# Allegro board SG2042_EVB_V1_1.brd (continued)
## Placement (name value [footprint] x y rotation side) (continued)
C126  1uF_16V  [C0402_BGA]  122.47 92.15 270 bottom
C127  1uF_16V  [C0402_BGA]  121.47 90.15 90 bottom
C128  1uF_16V  [C0402_BGA]  122.47 90.15 270 bottom
C129  1uF_16V  [C0402_BGA]  152.47 89.15 90 bottom
C132  1uF_16V  [C0402_BGA]  152.47 124.15 90 bottom
C133  1uF_16V  [C0402_BGA]  153.47 124.15 270 bottom
C134  1uF_16V  [C0402_BGA]  154.47 124.15 90 bottom
C135  1uF_16V  [C0402_BGA]  152.47 122.15 90 bottom
C136  1uF_16V  [C0402_BGA]  153.47 122.15 270 bottom
C137  1uF_16V  [C0402_BGA]  154.47 122.15 90 bottom
C138  1uF_16V  [C0402_BGA]  152.47 120.15 90 bottom
C139  1uF_16V  [C0402_BGA]  153.47 120.15 270 bottom
C140  1uF_16V  [C0402_BGA]  154.47 120.15 90 bottom
C141  1uF_16V  [C0402_BGA]  152.47 118.15 90 bottom
C142  1uF_16V  [C0402_BGA]  153.47 118.15 270 bottom
C143  1uF_16V  [C0402_BGA]  154.47 118.15 90 bottom
C144  1uF_16V  [C0402_BGA]  152.47 116.15 90 bottom
C145  1uF_16V  [C0402_BGA]  153.47 116.15 270 bottom
C146  1uF_16V  [C0402_BGA]  154.47 116.15 90 bottom
C147  1uF_16V  [C0402_BGA]  152.47 114.15 90 bottom
C148  1uF_16V  [C0402_BGA]  153.47 114.15 270 bottom
C149  1uF_16V  [C0402_BGA]  154.47 114.15 90 bottom
C150  1uF_16V  [C0402_BGA]  152.47 112.15 90 bottom
C151  1uF_16V  [C0402_BGA]  153.47 112.15 270 bottom
C152  1uF_16V  [C0402_BGA]  154.47 112.15 90 bottom
C153  1uF_16V  [C0402_BGA]  152.47 110.15 90 bottom
C154  1uF_16V  [C0402_BGA]  153.47 110.15 270 bottom
C155  1uF_16V  [C0402_BGA]  154.47 110.15 90 bottom
C156  1uF_16V  [C0402_BGA]  152.47 108.15 90 bottom
C157  1uF_16V  [C0402_BGA]  153.47 108.15 270 bottom
C158  1uF_16V  [C0402_BGA]  154.47 108.15 90 bottom
C159  1uF_16V  [C0402_BGA]  152.47 106.15 270 bottom
C160  1uF_16V  [C0402_BGA]  153.47 106.15 270 bottom
C161  1uF_16V  [C0402_BGA]  154.47 106.15 90 bottom
C162  1uF_16V  [C0402_BGA]  152.47 104.15 90 bottom
C163  1uF_16V  [C0402_BGA]  153.47 104.15 270 bottom
C164  1uF_16V  [C0402_BGA]  154.47 104.15 90 bottom
C165  1uF_16V  [C0402_BGA]  152.47 102.15 90 bottom
C166  1uF_16V  [C0402_BGA]  153.47 102.15 270 bottom
C167  1uF_16V  [C0402_BGA]  154.47 102.15 90 bottom
C168  1uF_16V  [C0402_BGA]  153.47 100.15 270 bottom
C169  1uF_16V  [C0402_BGA]  154.47 100.15 90 bottom
C170  1uF_16V  [C0402_BGA]  153.47 98.15 270 bottom
C171  1uF_16V  [C0402_BGA]  154.47 98.15 90 bottom
C172  1uF_16V  [C0402_BGA]  153.47 96.15 270 bottom
C173  1uF_16V  [C0402_BGA]  154.47 96.15 90 bottom
C174  1uF_16V  [C0402_BGA]  153.47 94.15 270 bottom
C175  1uF_16V  [C0402_BGA]  154.47 94.15 90 bottom
C176  1uF_16V  [C0402_BGA]  153.47 92.15 270 bottom
C177  1uF_16V  [C0402_BGA]  154.47 92.15 90 bottom
C178  1uF_16V  [C0402_BGA]  153.47 90.15 270 bottom
C179  1uF_16V  [C0402_BGA]  154.47 90.15 90 bottom
C181  1uF_16V  [C0402_BGA]  155.47 126.15 270 bottom
C182  1uF_16V  [C0402_BGA]  156.47 126.15 90 bottom
C183  1uF_16V  [C0402_BGA]  157.47 126.15 270 bottom
C184  1uF_16V  [C0402_BGA]  158.47 126.15 90 bottom
C185  1uF_16V  [C0402_BGA]  155.47 124.15 270 bottom
C186  1uF_16V  [C0402_BGA]  156.47 124.15 90 bottom
C187  1uF_16V  [C0402_BGA]  157.47 124.15 270 bottom
C188  1uF_16V  [C0402_BGA]  158.47 124.15 90 bottom
C189  1uF_16V  [C0402_BGA]  155.47 122.15 270 bottom
C190  1uF_16V  [C0402_BGA]  156.47 122.15 90 bottom
C191  1uF_16V  [C0402_BGA]  157.47 122.15 270 bottom
C192  1uF_16V  [C0402_BGA]  155.47 120.15 270 bottom
C193  1uF_16V  [C0402_BGA]  156.47 120.15 90 bottom
C194  1uF_16V  [C0402_BGA]  157.47 120.15 270 bottom
C195  1uF_16V  [C0402_BGA]  155.47 118.15 270 bottom
C196  1uF_16V  [C0402_BGA]  156.47 118.15 90 bottom
C197  1uF_16V  [C0402_BGA]  157.47 118.15 270 bottom
C198  1uF_16V  [C0402_BGA]  155.47 116.15 270 bottom
C199  1uF_16V  [C0402_BGA]  156.47 116.15 90 bottom
C200  1uF_16V  [C0402_BGA]  157.47 116.15 270 bottom
C201  1uF_16V  [C0402_BGA]  158.47 116.15 90 bottom
C202  1uF_16V  [C0402_BGA]  155.47 114.15 270 bottom
C203  1uF_16V  [C0402_BGA]  156.47 114.15 90 bottom
C204  1uF_16V  [C0402_BGA]  157.47 114.15 270 bottom
C205  1uF_16V  [C0402_BGA]  155.47 112.15 270 bottom
C206  1uF_16V  [C0402_BGA]  156.47 112.15 90 bottom
C207  1uF_16V  [C0402_BGA]  157.47 112.15 270 bottom
C208  1uF_16V  [C0402_BGA]  155.47 110.15 270 bottom
C209  1uF_16V  [C0402_BGA]  156.47 110.15 90 bottom
C210  1uF_16V  [C0402_BGA]  157.47 110.15 270 bottom
C211  1uF_16V  [C0402_BGA]  157.47 108.15 270 bottom
C212  1uF_16V  [C0402_BGA]  156.47 108.15 90 bottom
C213  1uF_16V  [C0402_BGA]  155.47 108.15 270 bottom
C214  1uF_16V  [C0402_BGA]  155.47 106.15 270 bottom
C215  1uF_16V  [C0402_BGA]  156.47 106.15 90 bottom
C216  1uF_16V  [C0402_BGA]  157.47 106.15 270 bottom
C217  1uF_16V  [C0402_BGA]  155.47 104.15 270 bottom
C218  1uF_16V  [C0402_BGA]  156.47 104.15 90 bottom
C219  1uF_16V  [C0402_BGA]  157.47 104.15 270 bottom
C220  1uF_16V  [C0402_BGA]  155.47 102.15 270 bottom
C221  1uF_16V  [C0402_BGA]  156.47 102.15 90 bottom
C222  1uF_16V  [C0402_BGA]  157.47 102.15 270 bottom
C223  1uF_16V  [C0402_BGA]  155.47 100.15 270 bottom
C224  1uF_16V  [C0402_BGA]  156.47 100.15 90 bottom
C225  1uF_16V  [C0402_BGA]  157.47 100.15 270 bottom
C226  1uF_16V  [C0402_BGA]  158.47 100.15 90 bottom
C227  1uF_16V  [C0402_BGA]  155.47 98.15 270 bottom
C228  1uF_16V  [C0402_BGA]  156.47 98.15 90 bottom
C229  1uF_16V  [C0402_BGA]  157.47 98.15 270 bottom
C230  1uF_16V  [C0402_BGA]  158.47 98.15 90 bottom
C231  1uF_16V  [C0402_BGA]  159.47 98.15 270 bottom
C232  1uF_16V  [C0402_BGA]  155.47 96.15 270 bottom
C233  1uF_16V  [C0402_BGA]  156.47 96.15 90 bottom
C234  1uF_16V  [C0402_BGA]  157.47 96.15 270 bottom
C235  1uF_16V  [C0402_BGA]  158.47 96.15 90 bottom
C236  1uF_16V  [C0402_BGA]  159.47 96.15 270 bottom
C237  1uF_16V  [C0402_BGA]  160.48 96.15 270 bottom
C238  1uF_16V  [C0402_BGA]  155.47 94.15 270 bottom
C239  1uF_16V  [C0402_BGA]  156.47 94.15 90 bottom
C240  1uF_16V  [C0402_BGA]  157.47 94.15 270 bottom
C241  1uF_16V  [C0402_BGA]  155.47 92.15 270 bottom
C242  1uF_16V  [C0402_BGA]  156.47 92.15 90 bottom
C243  1uF_16V  [C0402_BGA]  157.47 92.15 270 bottom
C244  1uF_16V  [C0402_BGA]  155.47 90.15 270 bottom
C245  1uF_16V  [C0402_BGA]  156.47 90.15 90 bottom
C246  1uF_16V  [C0402_BGA]  157.47 90.15 270 bottom
C247  1uF_16V  [C0402_BGA]  158.97 91.65 0 bottom
C248  1uF_16V  [C0402_BGA]  159.47 90.15 270 bottom
C249  1uF_16V  [C0402_BGA]  160.47 90.15 90 bottom
C250  1uF_16V  [C0402_BGA]  155.47 88.15 270 bottom
C251  1uF_16V  [C0402_BGA]  156.47 88.15 90 bottom
C252  1uF_16V  [C0402_BGA]  157.47 88.15 270 bottom
C253  1uF_16V  [C0402_BGA]  158.47 88.15 90 bottom
C254  1uF_16V  [C0402_BGA]  159.47 88.15 270 bottom
C255  1uF_16V  [C0402_BGA]  155.97 86.65 0 bottom
C256  1uF_16V  [C0402_BGA]  157.97 86.65 0 bottom
C257  1uF_16V  [C0402_BGA]  162.97 125.65 0 bottom
C258  1uF_16V  [C0402_BGA]  160.97 123.65 0 bottom
C259  1uF_16V  [C0402_BGA]  161.97 122.65 0 bottom
C260  1uF_16V  [C0402_BGA]  158.97 121.65 0 bottom
C261  1uF_16V  [C0402_BGA]  160.97 120.65 0 bottom
C262  1uF_16V  [C0402_BGA]  162.97 120.65 0 bottom
C263  1uF_16V  [C0402_BGA]  160.97 119.65 180 bottom
C264  1uF_16V  [C0402_BGA]  162.97 119.65 180 bottom
C265  1uF_16V  [C0402_BGA]  159.97 92.65 0 bottom
C266  1uF_16V  [C0402_BGA]  162.97 89.65 180 bottom
C267  1uF_16V  [C0402_BGA]  162.47 88.15 90 bottom
C281  1uF_16V  [C0402_BGA]  120.47 126.15 270 bottom
C282  1uF_16V  [C0402_BGA]  119.47 126.15 90 bottom
C283  1uF_16V  [C0402_BGA]  118.47 126.15 270 bottom
C284  1uF_16V  [C0402_BGA]  117.47 126.15 90 bottom
C285  1uF_16V  [C0402_BGA]  120.47 124.15 270 bottom
C286  1uF_16V  [C0402_BGA]  119.47 124.15 90 bottom
C287  1uF_16V  [C0402_BGA]  118.47 124.15 270 bottom
C288  1uF_16V  [C0402_BGA]  117.47 124.15 90 bottom
C289  1uF_16V  [C0402_BGA]  120.47 122.15 270 bottom
C290  1uF_16V  [C0402_BGA]  119.47 122.15 90 bottom
C291  1uF_16V  [C0402_BGA]  118.47 122.15 270 bottom
C292  1uF_16V  [C0402_BGA]  116.97 121.65 180 bottom
C293  1uF_16V  [C0402_BGA]  120.47 120.15 270 bottom
C294  1uF_16V  [C0402_BGA]  119.47 120.15 90 bottom
C295  1uF_16V  [C0402_BGA]  118.47 120.15 270 bottom
C296  1uF_16V  [C0402_BGA]  120.47 118.15 270 bottom
C297  1uF_16V  [C0402_BGA]  119.47 118.15 90 bottom
C298  1uF_16V  [C0402_BGA]  118.47 118.15 270 bottom
C299  1uF_16V  [C0402_BGA]  120.47 116.15 270 bottom
C300  1uF_16V  [C0402_BGA]  119.47 116.15 90 bottom
C301  1uF_16V  [C0402_BGA]  118.47 116.15 270 bottom
C302  1uF_16V  [C0402_BGA]  117.47 116.15 90 bottom
C303  1uF_16V  [C0402_BGA]  120.47 114.15 270 bottom
C304  1uF_16V  [C0402_BGA]  119.47 114.15 90 bottom
C305  1uF_16V  [C0402_BGA]  118.47 114.15 270 bottom
C306  1uF_16V  [C0402_BGA]  120.47 112.15 270 bottom
C307  1uF_16V  [C0402_BGA]  119.47 112.15 90 bottom
C308  1uF_16V  [C0402_BGA]  118.47 112.15 270 bottom
C309  1uF_16V  [C0402_BGA]  120.47 110.15 270 bottom
C310  1uF_16V  [C0402_BGA]  119.47 110.15 90 bottom
C311  1uF_16V  [C0402_BGA]  118.47 110.15 270 bottom
C312  1uF_16V  [C0402_BGA]  118.47 108.15 270 bottom
C313  1uF_16V  [C0402_BGA]  119.47 108.15 90 bottom
C314  1uF_16V  [C0402_BGA]  120.47 108.15 270 bottom
C315  1uF_16V  [C0402_BGA]  120.47 106.15 270 bottom
C316  1uF_16V  [C0402_BGA]  119.47 106.15 90 bottom
C317  1uF_16V  [C0402_BGA]  118.47 106.15 270 bottom
C318  1uF_16V  [C0402_BGA]  120.47 104.15 270 bottom
C319  1uF_16V  [C0402_BGA]  119.47 104.15 90 bottom
C320  1uF_16V  [C0402_BGA]  118.47 104.15 270 bottom
C321  1uF_16V  [C0402_BGA]  120.47 102.15 270 bottom
C322  1uF_16V  [C0402_BGA]  119.47 102.15 90 bottom
C323  1uF_16V  [C0402_BGA]  118.47 102.15 270 bottom
C324  1uF_16V  [C0402_BGA]  120.47 100.15 270 bottom
C325  1uF_16V  [C0402_BGA]  119.47 100.15 90 bottom
C326  1uF_16V  [C0402_BGA]  118.47 100.15 270 bottom
C327  1uF_16V  [C0402_BGA]  117.47 100.15 90 bottom
C328  1uF_16V  [C0402_BGA]  120.47 98.15 270 bottom
C329  1uF_16V  [C0402_BGA]  119.47 98.15 90 bottom
C330  1uF_16V  [C0402_BGA]  118.47 98.15 270 bottom
C331  1uF_16V  [C0402_BGA]  117.47 98.15 90 bottom
C332  1uF_16V  [C0402_BGA]  116.47 98.15 270 bottom
C333  1uF_16V  [C0402_BGA]  120.47 96.15 270 bottom
C334  1uF_16V  [C0402_BGA]  119.47 96.15 90 bottom
C335  1uF_16V  [C0402_BGA]  118.47 96.15 270 bottom
C336  1uF_16V  [C0402_BGA]  117.47 96.15 90 bottom
C337  1uF_16V  [C0402_BGA]  116.47 96.15 270 bottom
C338  1uF_16V  [C0402_BGA]  115.47 96.15 270 bottom
C339  1uF_16V  [C0402_BGA]  120.47 94.15 270 bottom
C340  1uF_16V  [C0402_BGA]  119.47 94.15 90 bottom
C341  1uF_16V  [C0402_BGA]  118.47 94.15 270 bottom
C342  1uF_16V  [C0402_BGA]  120.47 92.15 270 bottom
C343  1uF_16V  [C0402_BGA]  119.47 92.15 90 bottom
C344  1uF_16V  [C0402_BGA]  118.47 92.15 270 bottom
C345  1uF_16V  [C0402_BGA]  120.47 90.15 270 bottom
C346  1uF_16V  [C0402_BGA]  119.47 90.15 90 bottom
C347  1uF_16V  [C0402_BGA]  118.47 90.15 270 bottom
C348  1uF_16V  [C0402_BGA]  116.97 91.65 180 bottom
C349  1uF_16V  [C0402_BGA]  116.47 90.15 270 bottom
C350  1uF_16V  [C0402_BGA]  115.47 90.15 90 bottom
C351  1uF_16V  [C0402_BGA]  118.47 88.15 270 bottom
C352  1uF_16V  [C0402_BGA]  117.47 88.15 90 bottom
C353  1uF_16V  [C0402_BGA]  116.47 88.15 270 bottom
C354  1uF_16V  [C0402_BGA]  116.97 86.65 0 bottom
C355  1uF_16V  [C0402_BGA]  112.97 125.65 180 bottom
C356  1uF_16V  [C0402_BGA]  114.98 123.64 180 bottom
C357  1uF_16V  [C0402_BGA]  113.98 122.64 180 bottom
C358  1uF_16V  [C0402_BGA]  112.98 120.64 180 bottom
C359  1uF_16V  [C0402_BGA]  114.98 120.64 180 bottom
C360  1uF_16V  [C0402_BGA]  112.98 119.61 0 bottom
C361  1uF_16V  [C0402_BGA]  114.98 119.61 0 bottom
C362  1uF_16V  [C0402_BGA]  115.97 92.65 180 bottom
C363  1uF_16V  [C0402_BGA]  112.97 89.65 0 bottom
C364  1uF_16V  [C0402_BGA]  113.47 88.15 90 bottom
C381  220nF_25V  [C0201]  17.86 100.7 0 top
C382  220nF_25V  [C0201]  286.94 48.7 180 top
C383  220nF_25V  [C0201]  286.94 48.09 180 top
C384  220nF_25V  [C0201]  17.86 100.09 0 top
C385  220nF_25V  [C0201]  286.94 53.09 180 top
C386  220nF_25V  [C0201]  17.86 95.7 0 top
C387  220nF_25V  [C0201]  286.94 53.7 180 top
C388  220nF_25V  [C0201]  17.86 95.09 0 top
C389  220nF_25V  [C0201]  286.94 57.09 180 top
C390  220nF_25V  [C0201]  17.86 91.7 0 top
C391  220nF_25V  [C0201]  286.94 57.7 180 top
C392  220nF_25V  [C0201]  17.86 91.09 0 top
C393  220nF_25V  [C0201]  286.94 61.09 180 top
C394  220nF_25V  [C0201]  17.86 87.7 0 top
C395  220nF_25V  [C0201]  286.94 61.7 180 top
C396  220nF_25V  [C0201]  17.86 87.09 0 top
C397  220nF_25V  [C0201]  286.94 67.09 180 top
C398  220nF_25V  [C0201]  17.86 81.7 0 top
C399  220nF_25V  [C0201]  286.94 67.7 180 top
C400  220nF_25V  [C0201]  17.86 81.09 0 top
C401  220nF_25V  [C0201]  286.94 71.09 180 top
C402  220nF_25V  [C0201]  17.86 77.7 0 top
C403  220nF_25V  [C0201]  286.94 71.7 180 top
C404  220nF_25V  [C0201]  17.86 77.09 0 top
C405  220nF_25V  [C0201]  286.94 75.09 180 top
C406  220nF_25V  [C0201]  17.86 73.7 0 top
C407  220nF_25V  [C0201]  286.94 75.7 180 top
C408  220nF_25V  [C0201]  17.86 73.09 0 top
C409  220nF_25V  [C0201]  286.94 79.09 180 top
C410  220nF_25V  [C0201]  17.86 69.7 0 top
C411  220nF_25V  [C0201]  286.94 79.7 180 top
C412  220nF_25V  [C0201]  17.86 69.09 0 top
C413  220nF_25V  [C0201]  246.3 48.09 180 top
C414  220nF_25V  [C0201]  17.86 64.7 0 top
C415  220nF_25V  [C0201]  246.3 48.7 180 top
C416  220nF_25V  [C0201]  17.86 64.09 0 top
C417  220nF_25V  [C0201]  246.3 53.09 180 top
C418  220nF_25V  [C0201]  17.86 60.7 0 top
C419  220nF_25V  [C0201]  246.3 53.7 180 top
C420  220nF_25V  [C0201]  17.86 60.09 0 top
C421  220nF_25V  [C0201]  246.3 57.09 180 top
C422  220nF_25V  [C0201]  17.86 56.7 0 top
C423  220nF_25V  [C0201]  246.3 57.7 180 top
C424  220nF_25V  [C0201]  17.86 56.09 0 top
C425  220nF_25V  [C0201]  246.3 61.09 180 top
C426  220nF_25V  [C0201]  17.86 52.7 0 top
C427  220nF_25V  [C0201]  246.3 61.7 180 top
C428  220nF_25V  [C0201]  17.86 52.09 0 top
C429  220nF_25V  [C0201]  246.3 67.09 180 top
C430  220nF_25V  [C0201]  17.86 48.7 0 top
C431  220nF_25V  [C0201]  246.3 67.7 180 top
C432  220nF_25V  [C0201]  17.86 48.09 0 top
C433  220nF_25V  [C0201]  246.3 71.09 180 top
C434  220nF_25V  [C0201]  17.86 44.7 0 top
C435  220nF_25V  [C0201]  246.3 71.7 180 top
C436  220nF_25V  [C0201]  17.86 44.09 0 top
C437  220nF_25V  [C0201]  246.3 75.09 180 top
C438  220nF_25V  [C0201]  17.86 40.7 0 top
C439  220nF_25V  [C0201]  246.3 75.7 180 top
C440  220nF_25V  [C0201]  17.86 40.09 0 top
C441  220nF_25V  [C0201]  246.3 79.09 180 top
C442  220nF_25V  [C0201]  17.86 36.7 0 top
C443  220nF_25V  [C0201]  246.3 79.7 180 top
C444  220nF_25V  [C0201]  17.86 36.09 0 top
C445  1uF_16V  [C0402_BGA]  125.47 89.15 270 bottom
C446  1uF_16V  [C0402_BGA]  126.47 89.15 90 bottom
C447  1uF_16V  [C0402_BGA]  127.47 89.15 270 bottom
C448  1uF_16V  [C0402_BGA]  128.47 89.15 90 bottom
C449  1uF_16V  [C0402_BGA]  129.47 89.15 270 bottom
C450  1uF_16V  [C0402_BGA]  130.47 89.15 90 bottom
C451  1uF_16V  [C0402_BGA]  131.47 89.15 270 bottom
C452  1uF_16V  [C0402_BGA]  132.47 89.15 90 bottom
C453  1uF_16V  [C0402_BGA]  133.47 89.15 270 bottom
C454  1uF_16V  [C0402_BGA]  134.47 89.15 90 bottom
C455  1uF_16V  [C0402_BGA]  135.47 89.15 270 bottom
C456  1uF_16V  [C0402_BGA]  136.47 89.15 90 bottom
C457  1uF_16V  [C0402_BGA]  137.47 89.15 270 bottom
C458  1uF_16V  [C0402_BGA]  138.47 89.15 90 bottom
C459  1uF_16V  [C0402_BGA]  139.47 89.15 270 bottom
C460  1uF_16V  [C0402_BGA]  140.47 89.15 90 bottom
C461  1uF_16V  [C0402_BGA]  141.47 89.15 270 bottom
C462  1uF_16V  [C0402_BGA]  142.47 89.15 90 bottom
C463  1uF_16V  [C0402_BGA]  143.47 89.15 270 bottom
C464  1uF_16V  [C0402_BGA]  144.47 89.15 90 bottom
C465  1uF_16V  [C0402_BGA]  145.47 89.15 270 bottom
C466  1uF_16V  [C0402_BGA]  146.47 89.15 90 bottom
C467  1uF_16V  [C0402_BGA]  147.47 89.15 270 bottom
C468  1uF_16V  [C0402_BGA]  148.47 89.15 90 bottom
C469  1uF_16V  [C0402_BGA]  149.47 89.15 270 bottom
C470  1uF_16V  [C0402_BGA]  150.47 89.15 90 bottom
C471  10uF/6.3V  [C0402_BGA]  151.47 89.15 270 bottom
C475  1uF_16V  [C0402_BGA]  130.47 92.15 270 bottom
C476  1uF_16V  [C0402_BGA]  131.47 92.15 90 bottom
C477  1uF_16V  [C0402_BGA]  132.47 92.15 270 bottom
C478  1uF_16V  [C0402_BGA]  138.47 92.15 270 bottom
C479  1uF_16V  [C0402_BGA]  140.47 92.15 270 bottom
C480  1uF_16V  [C0402_BGA]  141.47 92.15 90 bottom
C481  1uF_16V  [C0402_BGA]  142.47 92.15 270 bottom
C482  1uF_16V  [C0402_BGA]  143.47 92.15 90 bottom
C483  1uF_16V  [C0402_BGA]  144.47 92.15 270 bottom
C484  1uF_16V  [C0402_BGA]  145.47 92.15 90 bottom
C485  1uF_16V  [C0402_BGA]  146.97 91.65 180 bottom
C486  1uF_16V  [C0402_BGA]  125.97 90.65 180 bottom
C487  1uF_16V  [C0402_BGA]  127.97 90.65 180 bottom
C488  1uF_16V  [C0402_BGA]  129.97 90.65 180 bottom
C489  1uF_16V  [C0402_BGA]  131.97 90.65 180 bottom
C490  1uF_16V  [C0402_BGA]  133.97 90.65 180 bottom
C491  1uF_16V  [C0402_BGA]  135.97 90.65 180 bottom
C492  1uF_16V  [C0402_BGA]  137.97 90.65 180 bottom
C493  1uF_16V  [C0402_BGA]  139.97 90.65 180 bottom
C494  1uF_16V  [C0402_BGA]  141.97 90.65 180 bottom
C495  1uF_16V  [C0402_BGA]  143.97 90.65 180 bottom
C496  10uF/6.3V  [C0402_BGA]  145.97 90.65 180 bottom
C497  10uF/6.3V  [C0402_BGA]  147.97 90.65 180 bottom
C498  10uF/6.3V  [C0402_BGA]  149.97 90.65 180 bottom
C499  10uF/6.3V  [C0402_BGA]  151.97 90.65 180 bottom
C505  1uF_16V  [C0402_BGA]  124.97 87.65 180 bottom
C506  1uF_16V  [C0402_BGA]  126.97 87.65 180 bottom
C507  1uF_16V  [C0402_BGA]  128.97 87.65 180 bottom
C508  1uF_16V  [C0402_BGA]  130.97 87.65 180 bottom
C509  1uF_16V  [C0402_BGA]  132.97 87.65 180 bottom
C510  1uF_16V  [C0402_BGA]  134.97 87.65 180 bottom
C511  1uF_16V  [C0402_BGA]  136.97 87.65 180 bottom
C512  1uF_16V  [C0402_BGA]  138.97 87.65 180 bottom
C513  1uF_16V  [C0402_BGA]  140.97 87.65 180 bottom
C514  1uF_16V  [C0402_BGA]  142.97 87.65 180 bottom
C515  1uF_16V  [C0402_BGA]  144.97 87.65 180 bottom
C516  1uF_16V  [C0402_BGA]  146.97 87.65 180 bottom
C517  1uF_16V  [C0402_BGA]  148.97 87.65 180 bottom
C518  10uF/6.3V  [C0402_BGA]  150.97 87.65 180 bottom
C519  10uF/6.3V  [C0402_BGA]  152.97 87.65 180 bottom
C525  1uF_16V  [C0402]  218.08 202.46 90 bottom
C526  100nF_25V  [C0402]  218.08 204.17 90 bottom
C528  100nF_25V  [C0402]  130.43 46.84 90 bottom
C530  100nF_25V  [C0402]  129.97 48.54 270 top
C531  10uF/6.3V  [C0402]  48.03 223.62 180 top
C532  2.2uF 6.3V  [C0402]  48.03 224.49 180 top
C533  2.2uF 6.3V  [C0402]  48.03 225.35 180 top
C534  100nF_25V  [C0402]  48.03 226.21 180 top
C535  100nF_25V  [C0402]  48.03 227.08 180 top
C536  100nF_25V  [C0402]  46.63 221.51 90 top
C537  100nF_25V  [C0402]  213.31 202.9 90 bottom
C538  2.2uF 6.3V  [C0402]  216.05 207.54 180 bottom
C539  2.2uF 6.3V  [C0402]  213.51 210.26 0 bottom
C540  2.2uF 6.3V  [C0402]  215.57 210.16 0 bottom
C541  100nF_25V  [C0402]  213.41 205.08 270 bottom
C542  2.2uF 6.3V  [C0402]  211.51 207.65 180 bottom
C543  2.2uF 6.3V  [C0402]  210.21 208.05 270 bottom
C545  100nF_25V  [C0402]  132.11 43.28 90 bottom
C548  1uF_16V_NC  [C0402]  27.28 198.55 180 top
C549  4.7uF_6.3V  [C0402]  23.75 195.07 90 top
C550  100nF_25V  [C0402]  24.61 195.07 90 top
C551  100nF_25V  [C0402]  25.48 195.07 90 top
C552  100nF_25V  [C0402]  26.34 195.07 90 top
C557  4.7uF_6.3V  [C0402]  22.61 200.76 90 top
C558  100nF_25V  [C0402]  27.28 199.42 180 top
C559  100nF_25V  [C0402]  23.01 199.47 0 top
C560  4.7uF_6.3V  [C0402]  23.01 197.74 0 top
C561  100nF_25V  [C0402]  24.28 199.34 270 top
C562  100nF_25V  [C0402]  25.15 199.34 270 top
C563  100nF_25V  [C0402]  26.01 199.34 270 top
C564  100nF_25V  [C0402]  22.89 195.07 90 top
C565  100nF_25V  [C0402]  27.97 193.95 0 top
C566  10nF 50V  [C0402]  16.08 204.06 180 bottom
C567  1nF 2KV  [C1206]  14.63 220.34 180 bottom
C568  0.1uF 50V  [C0603]  14.22 222.15 180 bottom
C569  1nF 2KV  [C1206]  32.33 220.34 0 bottom
C570  0.1uF 50V  [C0603]  14.22 223.47 180 bottom
C571  0.1uF 50V  [C0603]  34.8 223.47 0 bottom
C572  0.1uF 50V  [C0603]  34.8 222.15 0 bottom
C573  12pF 50V  [C0402]  19.56 198.12 90 bottom
C574  12pF 50V  [C0402]  19.56 196.39 270 bottom
C575  10uF/6.3V  [C0402]  172.67 165.38 90 top
C576  100nF_25V  [C0402]  173.53 165.38 90 top
C577  100nF_25V  [C0402]  173.53 163.35 90 top
C578  100nF_25V  [C0402]  223.52 196.98 180 top
C579  10uF/6.3V  [C0402]  123.27 149.83 270 top
C580  100nF_25V  [C0402]  122.4 149.83 270 top
C581  100nF_25V  [C0402]  122.4 151.87 270 top
C582  10uF/6.3V  [C0402]  147.04 158.62 0 top
C583  100nF_25V  [C0402]  147.04 157.76 0 top
C584  100nF_25V  [C0402]  214.88 183.57 180 top
C585  100nF_25V  [C0402]  145.01 157.76 0 top
C586  220pF 50V  [C0402]  213.33 181.86 90 top
C587  100nF_25V  [C0402]  134.34 50.09 90 bottom
C588  100nF_25V  [C0402]  282.83 234.01 270 bottom
C589  4.7uF_6.3V  [C0402]  281.97 234.01 270 bottom
C590  4.7uF_6.3V  [C0402_BGA]  125.47 109.15 270 bottom
C592  4.7uF_6.3V  [C0402_BGA]  150.47 107.15 270 bottom
C593  100nF_25V  [C0402]  282.09 235.94 90 top
C594  4.7uF_6.3V  [C0402_BGA]  150.47 109.15 270 bottom
C597  1uF_16V  [C0402]  281.23 235.94 90 top
C600  4.7uF_6.3V  [C0402_BGA]  125.47 107.15 270 bottom
C602  4.7uF_6.3V  [C0402]  142.49 51.33 180 top
C604  4.7uF_6.3V  [C0402]  144.5 51.33 180 top
C605  1uF_16V  [C0402]  279.5 231.75 180 top
C606  10uF/6.3V  [C0402_BGA]  127.65 116.15 90 bottom
C607  10uF/6.3V  [C0402_BGA]  129.6 116.15 90 bottom
C608  10uF/6.3V  [C0402_BGA]  131.55 116.15 90 bottom
C609  10uF/6.3V  [C0402_BGA]  133.5 116.15 90 bottom
C610  10uF/6.3V  [C0402_BGA]  135.45 116.15 90 bottom
C611  10uF/6.3V  [C0402_BGA]  128.63 114.15 270 bottom
C612  10uF/6.3V  [C0402_BGA]  130.57 114.15 270 bottom
C613  10uF/6.3V  [C0402_BGA]  132.52 114.15 270 bottom
C614  10uF/6.3V  [C0402_BGA]  134.47 114.15 270 bottom
C615  10uF/6.3V  [C0402_BGA]  136.45 114.15 270 bottom
C616  10uF/6.3V  [C0402_BGA]  127.65 112.15 90 bottom
C617  10uF/6.3V  [C0402_BGA]  129.6 112.15 90 bottom
C618  10uF/6.3V  [C0402_BGA]  131.55 112.15 90 bottom
C619  10uF/6.3V  [C0402_BGA]  133.5 112.15 90 bottom
C620  10uF/6.3V  [C0402_BGA]  135.45 112.15 90 bottom
C621  10uF/6.3V  [C0402_BGA]  128.63 110.15 270 bottom
C622  10uF/6.3V  [C0402_BGA]  130.57 110.15 270 bottom
C623  10uF/6.3V  [C0402_BGA]  132.52 110.15 270 bottom
C624  10uF/6.3V  [C0402_BGA]  134.47 110.15 270 bottom
C625  10uF/6.3V  [C0402_BGA]  136.45 110.15 270 bottom
C626  10uF/6.3V  [C0402_BGA]  127.65 108.15 90 bottom
C627  10uF/6.3V  [C0402_BGA]  129.6 108.15 90 bottom
C628  10uF/6.3V  [C0402_BGA]  131.55 108.15 90 bottom
C629  10uF/6.3V  [C0402_BGA]  133.5 108.15 90 bottom
C630  10uF/6.3V  [C0402_BGA]  135.45 108.15 90 bottom
C631  10uF/6.3V  [C0402_BGA]  139.5 116.15 90 bottom
C632  10uF/6.3V  [C0402_BGA]  141.47 116.15 90 bottom
C633  10uF/6.3V  [C0402_BGA]  143.42 116.15 90 bottom
C634  10uF/6.3V  [C0402_BGA]  145.37 116.15 90 bottom
C635  10uF/6.3V  [C0402_BGA]  147.32 116.15 90 bottom
C636  10uF/6.3V  [C0402_BGA]  140.5 114.15 270 bottom
C637  10uF/6.3V  [C0402_BGA]  142.45 114.15 270 bottom
C638  10uF/6.3V  [C0402_BGA]  144.4 114.15 270 bottom
C639  10uF/6.3V  [C0402_BGA]  146.35 114.15 270 bottom
C640  10uF/6.3V  [C0402_BGA]  148.3 114.15 270 bottom
C641  10uF/6.3V  [C0402_BGA]  139.5 112.15 90 bottom
C642  10uF/6.3V  [C0402_BGA]  141.47 112.15 90 bottom
C643  10uF/6.3V  [C0402_BGA]  143.42 112.15 90 bottom
C644  10uF/6.3V  [C0402_BGA]  145.37 112.15 90 bottom
C645  10uF/6.3V  [C0402_BGA]  147.32 112.15 90 bottom
C646  10uF/6.3V  [C0402_BGA]  140.5 110.15 270 bottom
C647  10uF/6.3V  [C0402_BGA]  142.45 110.15 270 bottom
C648  10uF/6.3V  [C0402_BGA]  144.4 110.15 270 bottom
C649  10uF/6.3V  [C0402_BGA]  146.35 110.15 270 bottom
C650  10uF/6.3V  [C0402_BGA]  148.3 110.15 270 bottom
C651  10uF/6.3V  [C0402_BGA]  139.5 108.15 90 bottom
C652  10uF/6.3V  [C0402_BGA]  141.47 108.15 90 bottom
C653  10uF/6.3V  [C0402_BGA]  143.42 108.15 90 bottom
C654  10uF/6.3V  [C0402_BGA]  145.37 108.15 90 bottom
C655  10uF/6.3V  [C0402_BGA]  147.32 108.15 90 bottom
C656  10uF/6.3V  [C0402_BGA]  127.65 104.15 90 bottom
C657  10uF/6.3V  [C0402_BGA]  129.6 104.15 90 bottom
C658  10uF/6.3V  [C0402_BGA]  131.55 104.15 90 bottom
C659  10uF/6.3V  [C0402_BGA]  133.5 104.15 90 bottom
C660  10uF/6.3V  [C0402_BGA]  135.45 104.15 90 bottom
C661  10uF/6.3V  [C0402_BGA]  128.63 102.15 270 bottom
C662  10uF/6.3V  [C0402_BGA]  130.57 102.15 270 bottom
C663  10uF/6.3V  [C0402_BGA]  132.52 102.15 270 bottom
C664  10uF/6.3V  [C0402_BGA]  134.47 102.15 270 bottom
C665  10uF/6.3V  [C0402_BGA]  136.45 102.15 270 bottom
C666  10uF/6.3V  [C0402_BGA]  127.65 100.15 90 bottom
C667  10uF/6.3V  [C0402_BGA]  129.6 100.15 90 bottom
C668  10uF/6.3V  [C0402_BGA]  131.55 100.15 90 bottom
C669  10uF/6.3V  [C0402_BGA]  133.5 100.15 90 bottom
C670  10uF/6.3V  [C0402_BGA]  135.45 100.15 90 bottom
C671  10uF/6.3V  [C0402_BGA]  128.63 98.15 270 bottom
C672  10uF/6.3V  [C0402_BGA]  130.57 98.15 270 bottom
C673  10uF/6.3V  [C0402_BGA]  132.52 98.15 270 bottom
C674  10uF/6.3V  [C0402_BGA]  134.47 98.15 270 bottom
C675  10uF/6.3V  [C0402_BGA]  136.45 98.15 270 bottom
C676  10uF/6.3V  [C0402_BGA]  127.65 96.15 90 bottom
